# Altium PCB 智能马桶综合检测台V1.0.PcbDoc (part 7 of 10) (continued)
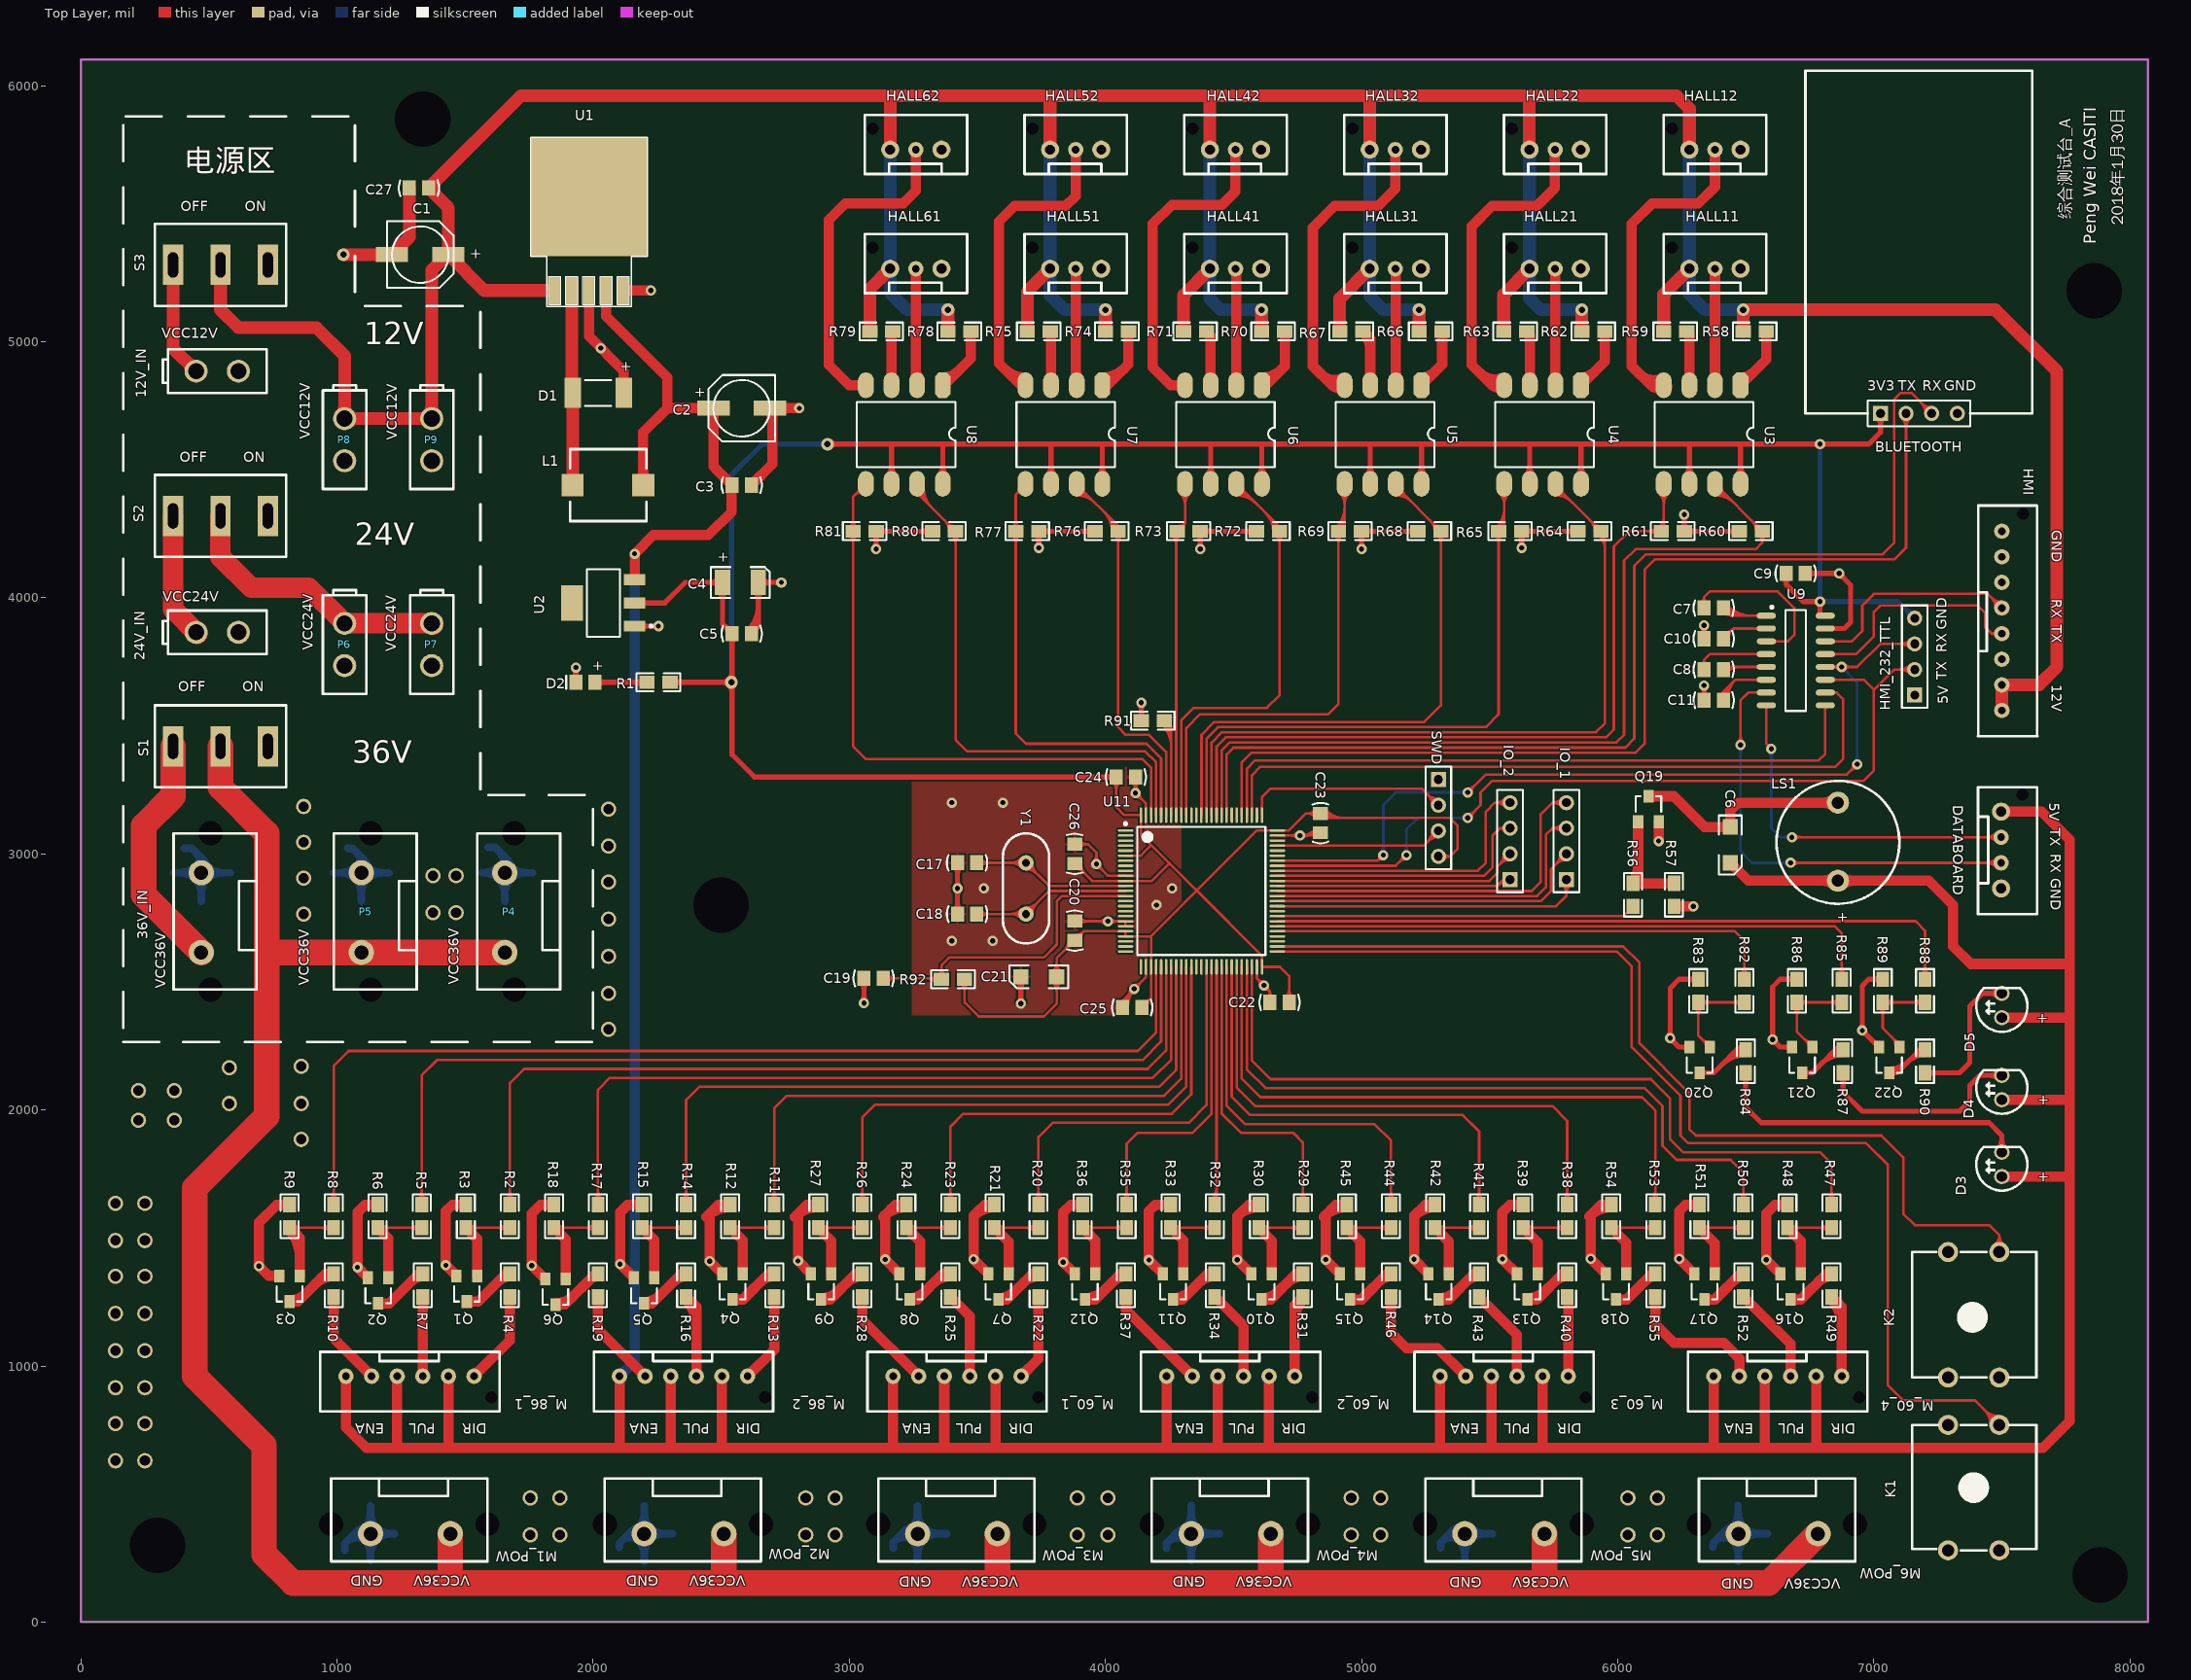
[diagram p0: Top Layer view]
## Nets (pads, with @x,y where several pads share a name; then routed paths per layer and width w, separated by ;. In a path a pad name is that pad's centre, name@x,y a point inside that pad or via, vN(x,y) a via of type N, cw(c..) or ccw(c..) an arc to the next point about the centre after c; other vN are vias at no path point) (continued)
  Top Layer w40: R24.2@3223,1540 3276.18,1486.82 Q8.1@3276.18,1360
NetQ8_3: Q8.3 R25.1 | length 1170.3
  Top Layer w40: Q8.3@3236.18,1260 3265,1260 3365,1360 R25.1@3395,1360 ; Q8.3@3236.18,1265 ccw(c3236.18,1346.66) 3293.92,1288.92 ; Q8.3@3236.18,1265 ccw(c3236.18,1346.66) 3293.92,1288.92 ; Q8.3@3236.18,1265 ccw(c3236.18,1346.66) 3293.92,1288.92 ; Q8.3@3236.18,1265 ccw(c3236.18,1346.66) 3293.92,1288.92 ; Q8.3@3236.18,1265 ccw(c3236.18,1346.66) 3293.92,1288.92 ; Q8.3@3236.18,1265 ccw(c3236.18,1346.66) 3293.92,1288.92 ; 3326.72,1321.72 cw(c3395,1253.43) R25.1@3395,1350 ; 3326.72,1321.72 cw(c3395,1253.43) R25.1@3395,1350 ; 3326.72,1321.72 cw(c3395,1253.43) R25.1@3395,1350 ; 3326.72,1321.72 cw(c3395,1253.43) R25.1@3395,1350 ; 3350,1345 cw(c3380.01,1314.99) R25.1@3393.42,1355.26 ; 3350,1345 cw(c3380.01,1314.99) R25.1@3393.42,1355.26 ; 3350,1345 cw(c3380.01,1314.99) R25.1@3393.42,1355.26 ; 3350,1345 cw(c3380.01,1314.99) R25.1@3393.42,1355.26 ; 3350,1345 cw(c3380.01,1314.99) R25.1@3393.42,1355.26 ; 3350,1345 cw(c3380.01,1314.99) R25.1@3393.42,1355.26
NetQ9_1: Q9.1 R26.2 R27.1 | length 1283.4
  Top Layer w10: R27.1@2879,1540 R26.2@3051,1540 ; R27.1@2893.14,1525.86 cw(c2927.28,1491.72) 2927.28,1540 ; R27.1@2893.14,1525.86 cw(c2927.28,1491.72) 2927.28,1540 ; R27.1@2893.14,1525.86 cw(c2927.28,1491.72) 2927.28,1540 ; R27.1@2893.14,1525.86 cw(c2927.28,1491.72) 2927.28,1540 ; R27.1@2893.14,1525.86 cw(c2927.28,1491.72) 2927.28,1540 ; R27.1@2893.14,1525.86 cw(c2927.28,1491.72) 2927.28,1540 ; R27.1@2893.14,1554.14 ccw(c2927.28,1588.28) 2927.28,1540 ; R27.1@2893.14,1554.14 ccw(c2927.28,1588.28) 2927.28,1540 ; R27.1@2893.14,1554.14 ccw(c2927.28,1588.28) 2927.28,1540 ; R27.1@2893.14,1554.14 ccw(c2927.28,1588.28) 2927.28,1540 ; R27.1@2893.14,1554.14 ccw(c2927.28,1588.28) 2927.28,1540 ; R27.1@2893.14,1554.14 ccw(c2927.28,1588.28) 2927.28,1540 ; 3002.72,1540 cw(c3002.72,1491.72) R26.2@3036.86,1525.86 ; 3002.72,1540 ccw(c3002.72,1588.28) R26.2@3036.86,1554.14 ; 3002.72,1540 cw(c3002.72,1491.72) R26.2@3036.86,1525.86 ; 3002.72,1540 ccw(c3002.72,1588.28) R26.2@3036.86,1554.14 ; 3002.72,1540 cw(c3002.72,1491.72) R26.2@3036.86,1525.86 ; 3002.72,1540 ccw(c3002.72,1588.28) R26.2@3036.86,1554.14 ; 3002.72,1540 cw(c3002.72,1491.72) R26.2@3036.86,1525.86 ; 3002.72,1540 ccw(c3002.72,1588.28) R26.2@3036.86,1554.14 ; 3002.72,1540 cw(c3002.72,1491.72) R26.2@3036.86,1525.86 ; 3002.72,1540 ccw(c3002.72,1588.28) R26.2@3036.86,1554.14 ; 3002.72,1540 ccw(c3002.72,1588.28) R26.2@3036.86,1554.14 ; 3002.72,1540 cw(c3002.72,1491.72) R26.2@3036.86,1525.86
  Top Layer w40: R27.1@2879,1540 2930.29,1488.71 Q9.1@2930.29,1360
NetQ9_3: Q9.3 R28.1 | length 1018.3
  Top Layer w40: Q9.3@2890.29,1260 2925,1260 3025,1360 R28.1@3051,1360 ; Q9.3@2890.29,1265 ccw(c2890.29,1360.86) 2958.08,1293.08 ; Q9.3@2890.29,1265 ccw(c2890.29,1360.86) 2958.08,1293.08 ; Q9.3@2890.29,1265 ccw(c2890.29,1360.86) 2958.08,1293.08 ; Q9.3@2890.29,1265 ccw(c2890.29,1360.86) 2958.08,1293.08 ; 2989.54,1324.54 cw(c3051,1263.09) R28.1@3051,1350 ; 2989.54,1324.54 cw(c3051,1263.09) R28.1@3051,1350 ; 2989.54,1324.54 cw(c3051,1263.09) R28.1@3051,1350 ; 2989.54,1324.54 cw(c3051,1263.09) R28.1@3051,1350 ; 3012,1347 cw(c3037.17,1321.83) R28.1@3049.3,1355.3 ; 3012,1347 cw(c3037.17,1321.83) R28.1@3049.3,1355.3 ; 3012,1347 cw(c3037.17,1321.83) R28.1@3049.3,1355.3 ; 3012,1347 cw(c3037.17,1321.83) R28.1@3049.3,1355.3 ; 3012,1347 cw(c3037.17,1321.83) R28.1@3049.3,1355.3 ; 3012,1347 cw(c3037.17,1321.83) R28.1@3049.3,1355.3
NetQ10_1: Q10.1 R29.2 R30.2 | length 1283.3
  Top Layer w10: R30.2@4599,1540 R29.2@4771,1540 ; R30.2@4613.14,1525.86 cw(c4647.28,1491.72) 4647.28,1540 ; R30.2@4613.14,1525.86 cw(c4647.28,1491.72) 4647.28,1540 ; R30.2@4613.14,1525.86 cw(c4647.28,1491.72) 4647.28,1540 ; R30.2@4613.14,1525.86 cw(c4647.28,1491.72) 4647.28,1540 ; R30.2@4613.14,1525.86 cw(c4647.28,1491.72) 4647.28,1540 ; R30.2@4613.14,1525.86 cw(c4647.28,1491.72) 4647.28,1540 ; R30.2@4613.14,1554.14 ccw(c4647.28,1588.28) 4647.28,1540 ; R30.2@4613.14,1554.14 ccw(c4647.28,1588.28) 4647.28,1540 ; R30.2@4613.14,1554.14 ccw(c4647.28,1588.28) 4647.28,1540 ; R30.2@4613.14,1554.14 ccw(c4647.28,1588.28) 4647.28,1540 ; R30.2@4613.14,1554.14 ccw(c4647.28,1588.28) 4647.28,1540 ; R30.2@4613.14,1554.14 ccw(c4647.28,1588.28) 4647.28,1540 ; 4722.72,1540 cw(c4722.72,1491.72) R29.2@4756.86,1525.86 ; 4722.72,1540 ccw(c4722.72,1588.28) R29.2@4756.86,1554.14 ; 4722.72,1540 cw(c4722.72,1491.72) R29.2@4756.86,1525.86 ; 4722.72,1540 ccw(c4722.72,1588.28) R29.2@4756.86,1554.14 ; 4722.72,1540 cw(c4722.72,1491.72) R29.2@4756.86,1525.86 ; 4722.72,1540 ccw(c4722.72,1588.28) R29.2@4756.86,1554.14 ; 4722.72,1540 cw(c4722.72,1491.72) R29.2@4756.86,1525.86 ; 4722.72,1540 ccw(c4722.72,1588.28) R29.2@4756.86,1554.14 ; 4722.72,1540 cw(c4722.72,1491.72) R29.2@4756.86,1525.86 ; 4722.72,1540 ccw(c4722.72,1588.28) R29.2@4756.86,1554.14 ; 4722.72,1540 ccw(c4722.72,1588.28) R29.2@4756.86,1554.14 ; 4722.72,1540 cw(c4722.72,1491.72) R29.2@4756.86,1525.86
  Top Layer w40: R30.2@4599,1540 4650,1489 Q10.1@4650,1360
NetQ10_3: Q10.3 R31.1 | length 1020.8
  Top Layer w40: Q10.3@4610,1260 4645,1260 4745,1360 R31.1@4771,1360 ; Q10.3@4610,1265 ccw(c4610,1361.57) 4678.28,1293.28 ; Q10.3@4610,1265 ccw(c4610,1361.57) 4678.28,1293.28 ; Q10.3@4610,1265 ccw(c4610,1361.57) 4678.28,1293.28 ; Q10.3@4610,1265 ccw(c4610,1361.57) 4678.28,1293.28 ; 4709.54,1324.54 cw(c4771,1263.09) R31.1@4771,1350 ; 4709.54,1324.54 cw(c4771,1263.09) R31.1@4771,1350 ; 4709.54,1324.54 cw(c4771,1263.09) R31.1@4771,1350 ; 4709.54,1324.54 cw(c4771,1263.09) R31.1@4771,1350 ; 4732,1347 cw(c4757.17,1321.83) R31.1@4769.3,1355.3 ; 4732,1347 cw(c4757.17,1321.83) R31.1@4769.3,1355.3 ; 4732,1347 cw(c4757.17,1321.83) R31.1@4769.3,1355.3 ; 4732,1347 cw(c4757.17,1321.83) R31.1@4769.3,1355.3 ; 4732,1347 cw(c4757.17,1321.83) R31.1@4769.3,1355.3 ; 4732,1347 cw(c4757.17,1321.83) R31.1@4769.3,1355.3
NetQ11_1: Q11.1 R32.2 R33.1 | length 1282.4
  Top Layer w10: R33.1@4255,1540 R32.2@4427,1540 ; R33.1@4269.14,1525.86 cw(c4303.28,1491.72) 4303.28,1540 ; R33.1@4269.14,1525.86 cw(c4303.28,1491.72) 4303.28,1540 ; R33.1@4269.14,1525.86 cw(c4303.28,1491.72) 4303.28,1540 ; R33.1@4269.14,1525.86 cw(c4303.28,1491.72) 4303.28,1540 ; R33.1@4269.14,1525.86 cw(c4303.28,1491.72) 4303.28,1540 ; R33.1@4269.14,1525.86 cw(c4303.28,1491.72) 4303.28,1540 ; R33.1@4269.14,1554.14 ccw(c4303.28,1588.28) 4303.28,1540 ; R33.1@4269.14,1554.14 ccw(c4303.28,1588.28) 4303.28,1540 ; R33.1@4269.14,1554.14 ccw(c4303.28,1588.28) 4303.28,1540 ; R33.1@4269.14,1554.14 ccw(c4303.28,1588.28) 4303.28,1540 ; R33.1@4269.14,1554.14 ccw(c4303.28,1588.28) 4303.28,1540 ; R33.1@4269.14,1554.14 ccw(c4303.28,1588.28) 4303.28,1540 ; 4378.72,1540 cw(c4378.72,1491.72) R32.2@4412.86,1525.86 ; 4378.72,1540 ccw(c4378.72,1588.28) R32.2@4412.86,1554.14 ; 4378.72,1540 cw(c4378.72,1491.72) R32.2@4412.86,1525.86 ; 4378.72,1540 ccw(c4378.72,1588.28) R32.2@4412.86,1554.14 ; 4378.72,1540 cw(c4378.72,1491.72) R32.2@4412.86,1525.86 ; 4378.72,1540 ccw(c4378.72,1588.28) R32.2@4412.86,1554.14 ; 4378.72,1540 cw(c4378.72,1491.72) R32.2@4412.86,1525.86 ; 4378.72,1540 ccw(c4378.72,1588.28) R32.2@4412.86,1554.14 ; 4378.72,1540 cw(c4378.72,1491.72) R32.2@4412.86,1525.86 ; 4378.72,1540 ccw(c4378.72,1588.28) R32.2@4412.86,1554.14 ; 4378.72,1540 ccw(c4378.72,1588.28) R32.2@4412.86,1554.14 ; 4378.72,1540 cw(c4378.72,1491.72) R32.2@4412.86,1525.86
  Top Layer w40: R33.1@4255,1540 4303.82,1491.18 Q11.1@4303.82,1360
NetQ11_3: Q11.3 R34.1 | length 1049.5
  Top Layer w40: Q11.3@4263.82,1260 4300,1260 4400,1360 R34.1@4427,1360 ; Q11.3@4263.82,1265 ccw(c4263.82,1364.41) 4334.12,1294.12 ; Q11.3@4263.82,1265 ccw(c4263.82,1364.41) 4334.12,1294.12 ; Q11.3@4263.82,1265 ccw(c4263.82,1364.41) 4334.12,1294.12 ; Q11.3@4263.82,1265 ccw(c4263.82,1364.41) 4334.12,1294.12 ; 4363.84,1323.84 cw(c4427,1260.67) R34.1@4427,1350 ; 4363.84,1323.84 cw(c4427,1260.67) R34.1@4427,1350 ; 4363.84,1323.84 cw(c4427,1260.67) R34.1@4427,1350 ; 4363.84,1323.84 cw(c4427,1260.67) R34.1@4427,1350 ; 4386.5,1346.5 cw(c4412.88,1320.12) R34.1@4425.33,1355.29 ; 4386.5,1346.5 cw(c4412.88,1320.12) R34.1@4425.33,1355.29 ; 4386.5,1346.5 cw(c4412.88,1320.12) R34.1@4425.33,1355.29 ; 4386.5,1346.5 cw(c4412.88,1320.12) R34.1@4425.33,1355.29 ; 4386.5,1346.5 cw(c4412.88,1320.12) R34.1@4425.33,1355.29 ; 4386.5,1346.5 cw(c4412.88,1320.12) R34.1@4425.33,1355.29
NetQ12_1: Q12.1 R35.2 R36.2 | length 1282.4
  Top Layer w10: R36.2@3911,1540 R35.2@4083,1540 ; R36.2@3925.14,1525.86 cw(c3959.28,1491.72) 3959.28,1540 ; R36.2@3925.14,1525.86 cw(c3959.28,1491.72) 3959.28,1540 ; R36.2@3925.14,1525.86 cw(c3959.28,1491.72) 3959.28,1540 ; R36.2@3925.14,1525.86 cw(c3959.28,1491.72) 3959.28,1540 ; R36.2@3925.14,1525.86 cw(c3959.28,1491.72) 3959.28,1540 ; R36.2@3925.14,1525.86 cw(c3959.28,1491.72) 3959.28,1540 ; R36.2@3925.14,1554.14 ccw(c3959.28,1588.28) 3959.28,1540 ; R36.2@3925.14,1554.14 ccw(c3959.28,1588.28) 3959.28,1540 ; R36.2@3925.14,1554.14 ccw(c3959.28,1588.28) 3959.28,1540 ; R36.2@3925.14,1554.14 ccw(c3959.28,1588.28) 3959.28,1540 ; R36.2@3925.14,1554.14 ccw(c3959.28,1588.28) 3959.28,1540 ; R36.2@3925.14,1554.14 ccw(c3959.28,1588.28) 3959.28,1540 ; 4034.72,1540 cw(c4034.72,1491.72) R35.2@4068.86,1525.86 ; 4034.72,1540 ccw(c4034.72,1588.28) R35.2@4068.86,1554.14 ; 4034.72,1540 cw(c4034.72,1491.72) R35.2@4068.86,1525.86 ; 4034.72,1540 ccw(c4034.72,1588.28) R35.2@4068.86,1554.14 ; 4034.72,1540 cw(c4034.72,1491.72) R35.2@4068.86,1525.86 ; 4034.72,1540 ccw(c4034.72,1588.28) R35.2@4068.86,1554.14 ; 4034.72,1540 cw(c4034.72,1491.72) R35.2@4068.86,1525.86 ; 4034.72,1540 ccw(c4034.72,1588.28) R35.2@4068.86,1554.14 ; 4034.72,1540 cw(c4034.72,1491.72) R35.2@4068.86,1525.86 ; 4034.72,1540 ccw(c4034.72,1588.28) R35.2@4068.86,1554.14 ; 4034.72,1540 ccw(c4034.72,1588.28) R35.2@4068.86,1554.14 ; 4034.72,1540 cw(c4034.72,1491.72) R35.2@4068.86,1525.86
  Top Layer w40: R36.2@3911,1540 3960,1491 Q12.1@3960,1360
NetQ12_3: Q12.3 R37.1 | length 770.3
  Top Layer w40: Q12.3@3920,1260 3960,1260 4060,1360 R37.1@4080,1360 ; Q12.3@3920,1265 ccw(c3920,1373.64) 3996.82,1296.82 ; Q12.3@3920,1265 ccw(c3920,1373.64) 3996.82,1296.82 ; Q12.3@3920,1265 ccw(c3920,1373.64) 3996.82,1296.82 ; Q12.3@3920,1265 ccw(c3920,1373.64) 3996.82,1296.82 ; 4028.79,1328.79 cw(c4080,1277.57) R37.1@4080,1350 ; 4028.79,1328.79 cw(c4080,1277.57) R37.1@4080,1350 ; 4028.79,1328.79 cw(c4080,1277.57) R37.1@4080,1350 ; 4028.79,1328.79 cw(c4080,1277.57) R37.1@4080,1350
NetQ13_1: Q13.1 R38.1 R39.2 | length 1285.5
  Top Layer w10: R39.2@5631,1540 R38.1@5803,1540 ; R39.2@5645.14,1525.86 cw(c5679.28,1491.72) 5679.28,1540 ; R39.2@5645.14,1525.86 cw(c5679.28,1491.72) 5679.28,1540 ; R39.2@5645.14,1525.86 cw(c5679.28,1491.72) 5679.28,1540 ; R39.2@5645.14,1525.86 cw(c5679.28,1491.72) 5679.28,1540 ; R39.2@5645.14,1525.86 cw(c5679.28,1491.72) 5679.28,1540 ; R39.2@5645.14,1525.86 cw(c5679.28,1491.72) 5679.28,1540 ; R39.2@5645.14,1554.14 ccw(c5679.28,1588.28) 5679.28,1540 ; R39.2@5645.14,1554.14 ccw(c5679.28,1588.28) 5679.28,1540 ; R39.2@5645.14,1554.14 ccw(c5679.28,1588.28) 5679.28,1540 ; R39.2@5645.14,1554.14 ccw(c5679.28,1588.28) 5679.28,1540 ; R39.2@5645.14,1554.14 ccw(c5679.28,1588.28) 5679.28,1540 ; R39.2@5645.14,1554.14 ccw(c5679.28,1588.28) 5679.28,1540 ; 5754.72,1540 cw(c5754.72,1491.72) R38.1@5788.86,1525.86 ; 5754.72,1540 ccw(c5754.72,1588.28) R38.1@5788.86,1554.14 ; 5754.72,1540 cw(c5754.72,1491.72) R38.1@5788.86,1525.86 ; 5754.72,1540 ccw(c5754.72,1588.28) R38.1@5788.86,1554.14 ; 5754.72,1540 cw(c5754.72,1491.72) R38.1@5788.86,1525.86 ; 5754.72,1540 ccw(c5754.72,1588.28) R38.1@5788.86,1554.14 ; 5754.72,1540 cw(c5754.72,1491.72) R38.1@5788.86,1525.86 ; 5754.72,1540 ccw(c5754.72,1588.28) R38.1@5788.86,1554.14 ; 5754.72,1540 cw(c5754.72,1491.72) R38.1@5788.86,1525.86 ; 5754.72,1540 ccw(c5754.72,1588.28) R38.1@5788.86,1554.14 ; 5754.72,1540 ccw(c5754.72,1588.28) R38.1@5788.86,1554.14 ; 5754.72,1540 cw(c5754.72,1491.72) R38.1@5788.86,1525.86
  Top Layer w40: R39.2@5631,1540 5687.35,1483.65 Q13.1@5687.35,1360
NetQ13_3: Q13.3 R40.1 | length 732.9
  Top Layer w40: Q13.3@5647.35,1260 5685,1260 5785,1360 R40.1@5803,1360 ; Q13.3@5647.35,1265 ccw(c5647.35,1367.96) 5720.16,1295.16 ; Q13.3@5647.35,1265 ccw(c5647.35,1367.96) 5720.16,1295.16 ; Q13.3@5647.35,1265 ccw(c5647.35,1367.96) 5720.16,1295.16 ; Q13.3@5647.35,1265 ccw(c5647.35,1367.96) 5720.16,1295.16 ; 5755.2,1330.2 cw(c5803,1282.4) R40.1@5803,1350 ; 5755.2,1330.2 cw(c5803,1282.4) R40.1@5803,1350 ; 5755.2,1330.2 cw(c5803,1282.4) R40.1@5803,1350 ; 5755.2,1330.2 cw(c5803,1282.4) R40.1@5803,1350
NetQ14_1: Q14.1 R41.1 R42.1 | length 1284.7
  Top Layer w10: R42.1@5287,1540 R41.1@5459,1540 ; R42.1@5301.14,1525.86 cw(c5335.28,1491.72) 5335.28,1540 ; R42.1@5301.14,1525.86 cw(c5335.28,1491.72) 5335.28,1540 ; R42.1@5301.14,1525.86 cw(c5335.28,1491.72) 5335.28,1540 ; R42.1@5301.14,1525.86 cw(c5335.28,1491.72) 5335.28,1540 ; R42.1@5301.14,1525.86 cw(c5335.28,1491.72) 5335.28,1540 ; R42.1@5301.14,1525.86 cw(c5335.28,1491.72) 5335.28,1540 ; R42.1@5301.14,1554.14 ccw(c5335.28,1588.28) 5335.28,1540 ; R42.1@5301.14,1554.14 ccw(c5335.28,1588.28) 5335.28,1540 ; R42.1@5301.14,1554.14 ccw(c5335.28,1588.28) 5335.28,1540 ; R42.1@5301.14,1554.14 ccw(c5335.28,1588.28) 5335.28,1540 ; R42.1@5301.14,1554.14 ccw(c5335.28,1588.28) 5335.28,1540 ; R42.1@5301.14,1554.14 ccw(c5335.28,1588.28) 5335.28,1540 ; 5410.72,1540 cw(c5410.72,1491.72) R41.1@5444.86,1525.86 ; 5410.72,1540 ccw(c5410.72,1588.28) R41.1@5444.86,1554.14 ; 5410.72,1540 cw(c5410.72,1491.72) R41.1@5444.86,1525.86 ; 5410.72,1540 ccw(c5410.72,1588.28) R41.1@5444.86,1554.14 ; 5410.72,1540 cw(c5410.72,1491.72) R41.1@5444.86,1525.86 ; 5410.72,1540 ccw(c5410.72,1588.28) R41.1@5444.86,1554.14 ; 5410.72,1540 cw(c5410.72,1491.72) R41.1@5444.86,1525.86 ; 5410.72,1540 ccw(c5410.72,1588.28) R41.1@5444.86,1554.14 ; 5410.72,1540 cw(c5410.72,1491.72) R41.1@5444.86,1525.86 ; 5410.72,1540 ccw(c5410.72,1588.28) R41.1@5444.86,1554.14 ; 5410.72,1540 ccw(c5410.72,1588.28) R41.1@5444.86,1554.14 ; 5410.72,1540 cw(c5410.72,1491.72) R41.1@5444.86,1525.86
  Top Layer w40: R42.1@5287,1540 5341.47,1485.53 Q14.1@5341.47,1360
NetQ14_3: Q14.3 R43.1 | length 749.1
  Top Layer w40: Q14.3@5301.47,1260 5340,1260 5440,1360 R43.1@5459,1360 ; Q14.3@5301.47,1265 ccw(c5301.47,1370.09) 5375.78,1295.78 ; Q14.3@5301.47,1265 ccw(c5301.47,1370.09) 5375.78,1295.78 ; Q14.3@5301.47,1265 ccw(c5301.47,1370.09) 5375.78,1295.78 ; Q14.3@5301.47,1265 ccw(c5301.47,1370.09) 5375.78,1295.78 ; 5409.49,1329.49 cw(c5459,1279.99) R43.1@5459,1350 ; 5409.49,1329.49 cw(c5459,1279.99) R43.1@5459,1350 ; 5409.49,1329.49 cw(c5459,1279.99) R43.1@5459,1350 ; 5409.49,1329.49 cw(c5459,1279.99) R43.1@5459,1350
NetQ15_1: Q15.1 R44.1 R45.1 | length 1283.9
  Top Layer w10: R45.1@4943,1540 R44.1@5115,1540 ; R45.1@4957.14,1525.86 cw(c4991.28,1491.72) 4991.28,1540 ; R45.1@4957.14,1525.86 cw(c4991.28,1491.72) 4991.28,1540 ; R45.1@4957.14,1525.86 cw(c4991.28,1491.72) 4991.28,1540 ; R45.1@4957.14,1525.86 cw(c4991.28,1491.72) 4991.28,1540 ; R45.1@4957.14,1525.86 cw(c4991.28,1491.72) 4991.28,1540 ; R45.1@4957.14,1525.86 cw(c4991.28,1491.72) 4991.28,1540 ; R45.1@4957.14,1554.14 ccw(c4991.28,1588.28) 4991.28,1540 ; R45.1@4957.14,1554.14 ccw(c4991.28,1588.28) 4991.28,1540 ; R45.1@4957.14,1554.14 ccw(c4991.28,1588.28) 4991.28,1540 ; R45.1@4957.14,1554.14 ccw(c4991.28,1588.28) 4991.28,1540 ; R45.1@4957.14,1554.14 ccw(c4991.28,1588.28) 4991.28,1540 ; R45.1@4957.14,1554.14 ccw(c4991.28,1588.28) 4991.28,1540 ; 5066.72,1540 cw(c5066.72,1491.72) R44.1@5100.86,1525.86 ; 5066.72,1540 ccw(c5066.72,1588.28) R44.1@5100.86,1554.14 ; 5066.72,1540 cw(c5066.72,1491.72) R44.1@5100.86,1525.86 ; 5066.72,1540 ccw(c5066.72,1588.28) R44.1@5100.86,1554.14 ; 5066.72,1540 cw(c5066.72,1491.72) R44.1@5100.86,1525.86 ; 5066.72,1540 ccw(c5066.72,1588.28) R44.1@5100.86,1554.14 ; 5066.72,1540 cw(c5066.72,1491.72) R44.1@5100.86,1525.86 ; 5066.72,1540 ccw(c5066.72,1588.28) R44.1@5100.86,1554.14 ; 5066.72,1540 cw(c5066.72,1491.72) R44.1@5100.86,1525.86 ; 5066.72,1540 ccw(c5066.72,1588.28) R44.1@5100.86,1554.14 ; 5066.72,1540 ccw(c5066.72,1588.28) R44.1@5100.86,1554.14 ; 5066.72,1540 cw(c5066.72,1491.72) R44.1@5100.86,1525.86
  Top Layer w40: R45.1@4943,1540 4995.59,1487.41 Q15.1@4995.59,1360
NetQ15_3: Q15.3 R46.1 | length 390.4
  Top Layer w40: Q15.3@4955.59,1260 5000,1260 5100,1360 R46.1@5115,1360 ; 5072.32,1332.32 cw(c5115,1289.64) R46.1@5115,1350 ; 5072.32,1332.32 cw(c5115,1289.64) R46.1@5115,1350 ; 5072.32,1332.32 cw(c5115,1289.64) R46.1@5115,1350 ; 5072.32,1332.32 cw(c5115,1289.64) R46.1@5115,1350
NetQ16_1: Q16.1 R47.1 R48.2 | length 1283.7
  Top Layer w10: R48.2@6663,1540 R47.1@6835,1540 ; R48.2@6677.14,1525.86 cw(c6711.28,1491.72) 6711.28,1540 ; R48.2@6677.14,1525.86 cw(c6711.28,1491.72) 6711.28,1540 ; R48.2@6677.14,1525.86 cw(c6711.28,1491.72) 6711.28,1540 ; R48.2@6677.14,1525.86 cw(c6711.28,1491.72) 6711.28,1540 ; R48.2@6677.14,1525.86 cw(c6711.28,1491.72) 6711.28,1540 ; R48.2@6677.14,1525.86 cw(c6711.28,1491.72) 6711.28,1540 ; R48.2@6677.14,1554.14 ccw(c6711.28,1588.28) 6711.28,1540 ; R48.2@6677.14,1554.14 ccw(c6711.28,1588.28) 6711.28,1540 ; R48.2@6677.14,1554.14 ccw(c6711.28,1588.28) 6711.28,1540 ; R48.2@6677.14,1554.14 ccw(c6711.28,1588.28) 6711.28,1540 ; R48.2@6677.14,1554.14 ccw(c6711.28,1588.28) 6711.28,1540 ; R48.2@6677.14,1554.14 ccw(c6711.28,1588.28) 6711.28,1540 ; 6786.72,1540 cw(c6786.72,1491.72) R47.1@6820.86,1525.86 ; 6786.72,1540 ccw(c6786.72,1588.28) R47.1@6820.86,1554.14 ; 6786.72,1540 cw(c6786.72,1491.72) R47.1@6820.86,1525.86 ; 6786.72,1540 ccw(c6786.72,1588.28) R47.1@6820.86,1554.14 ; 6786.72,1540 cw(c6786.72,1491.72) R47.1@6820.86,1525.86 ; 6786.72,1540 ccw(c6786.72,1588.28) R47.1@6820.86,1554.14 ; 6786.72,1540 cw(c6786.72,1491.72) R47.1@6820.86,1525.86 ; 6786.72,1540 ccw(c6786.72,1588.28) R47.1@6820.86,1554.14 ; 6786.72,1540 cw(c6786.72,1491.72) R47.1@6820.86,1525.86 ; 6786.72,1540 ccw(c6786.72,1588.28) R47.1@6820.86,1554.14 ; 6786.72,1540 ccw(c6786.72,1588.28) R47.1@6820.86,1554.14 ; 6786.72,1540 cw(c6786.72,1491.72) R47.1@6820.86,1525.86
  Top Layer w40: R48.2@6663,1540 6715,1488 Q16.1@6715,1360
NetQ16_3: Q16.3 R49.1 | length 429
  Top Layer w40: Q16.3@6675,1260 6715,1260 6815,1360 R49.1@6835,1360 ; 6783.79,1328.79 cw(c6835,1277.57) R49.1@6835,1350 ; 6783.79,1328.79 cw(c6835,1277.57) R49.1@6835,1350 ; 6783.79,1328.79 cw(c6835,1277.57) R49.1@6835,1350 ; 6783.79,1328.79 cw(c6835,1277.57) R49.1@6835,1350
NetQ17_1: Q17.1 R50.1 R51.1 | length 1287
  Top Layer w10: R51.1@6319,1540 R50.1@6491,1540 ; R51.1@6333.14,1525.86 cw(c6367.28,1491.72) 6367.28,1540 ; R51.1@6333.14,1525.86 cw(c6367.28,1491.72) 6367.28,1540 ; R51.1@6333.14,1525.86 cw(c6367.28,1491.72) 6367.28,1540 ; R51.1@6333.14,1525.86 cw(c6367.28,1491.72) 6367.28,1540 ; R51.1@6333.14,1525.86 cw(c6367.28,1491.72) 6367.28,1540 ; R51.1@6333.14,1525.86 cw(c6367.28,1491.72) 6367.28,1540 ; R51.1@6333.14,1554.14 ccw(c6367.28,1588.28) 6367.28,1540 ; R51.1@6333.14,1554.14 ccw(c6367.28,1588.28) 6367.28,1540 ; R51.1@6333.14,1554.14 ccw(c6367.28,1588.28) 6367.28,1540 ; R51.1@6333.14,1554.14 ccw(c6367.28,1588.28) 6367.28,1540 ; R51.1@6333.14,1554.14 ccw(c6367.28,1588.28) 6367.28,1540 ; R51.1@6333.14,1554.14 ccw(c6367.28,1588.28) 6367.28,1540 ; 6442.72,1540 cw(c6442.72,1491.72) R50.1@6476.86,1525.86 ; 6442.72,1540 ccw(c6442.72,1588.28) R50.1@6476.86,1554.14 ; 6442.72,1540 cw(c6442.72,1491.72) R50.1@6476.86,1525.86 ; 6442.72,1540 ccw(c6442.72,1588.28) R50.1@6476.86,1554.14 ; 6442.72,1540 cw(c6442.72,1491.72) R50.1@6476.86,1525.86 ; 6442.72,1540 ccw(c6442.72,1588.28) R50.1@6476.86,1554.14 ; 6442.72,1540 cw(c6442.72,1491.72) R50.1@6476.86,1525.86 ; 6442.72,1540 ccw(c6442.72,1588.28) R50.1@6476.86,1554.14 ; 6442.72,1540 cw(c6442.72,1491.72) R50.1@6476.86,1525.86 ; 6442.72,1540 ccw(c6442.72,1588.28) R50.1@6476.86,1554.14 ; 6442.72,1540 ccw(c6442.72,1588.28) R50.1@6476.86,1554.14 ; 6442.72,1540 cw(c6442.72,1491.72) R50.1@6476.86,1525.86
  Top Layer w40: R51.1@6319,1540 6379.12,1479.88 Q17.1@6379.12,1360
NetQ17_3: Q17.3 R52.1 | length 352.6
  Top Layer w40: Q17.3@6339.12,1260 6380,1260 6480,1360 R52.1@6491,1360 ; 6455.15,1335.15 cw(c6491,1299.3) R52.1@6491,1350 ; 6455.15,1335.15 cw(c6491,1299.3) R52.1@6491,1350 ; 6455.15,1335.15 cw(c6491,1299.3) R52.1@6491,1350 ; 6455.15,1335.15 cw(c6491,1299.3) R52.1@6491,1350
NetQ18_1: Q18.1 R53.1 R54.1 | length 1286.3
  Top Layer w10: R54.1@5975,1540 R53.1@6147,1540 ; R54.1@5989.14,1525.86 cw(c6023.28,1491.72) 6023.28,1540 ; R54.1@5989.14,1525.86 cw(c6023.28,1491.72) 6023.28,1540 ; R54.1@5989.14,1525.86 cw(c6023.28,1491.72) 6023.28,1540 ; R54.1@5989.14,1525.86 cw(c6023.28,1491.72) 6023.28,1540 ; R54.1@5989.14,1525.86 cw(c6023.28,1491.72) 6023.28,1540 ; R54.1@5989.14,1525.86 cw(c6023.28,1491.72) 6023.28,1540 ; R54.1@5989.14,1554.14 ccw(c6023.28,1588.28) 6023.28,1540 ; R54.1@5989.14,1554.14 ccw(c6023.28,1588.28) 6023.28,1540 ; R54.1@5989.14,1554.14 ccw(c6023.28,1588.28) 6023.28,1540 ; R54.1@5989.14,1554.14 ccw(c6023.28,1588.28) 6023.28,1540 ; R54.1@5989.14,1554.14 ccw(c6023.28,1588.28) 6023.28,1540 ; R54.1@5989.14,1554.14 ccw(c6023.28,1588.28) 6023.28,1540 ; 6098.72,1540 cw(c6098.72,1491.72) R53.1@6132.86,1525.86 ; 6098.72,1540 ccw(c6098.72,1588.28) R53.1@6132.86,1554.14 ; 6098.72,1540 cw(c6098.72,1491.72) R53.1@6132.86,1525.86 ; 6098.72,1540 ccw(c6098.72,1588.28) R53.1@6132.86,1554.14 ; 6098.72,1540 cw(c6098.72,1491.72) R53.1@6132.86,1525.86 ; 6098.72,1540 ccw(c6098.72,1588.28) R53.1@6132.86,1554.14 ; 6098.72,1540 cw(c6098.72,1491.72) R53.1@6132.86,1525.86 ; 6098.72,1540 ccw(c6098.72,1588.28) R53.1@6132.86,1554.14 ; 6098.72,1540 cw(c6098.72,1491.72) R53.1@6132.86,1525.86 ; 6098.72,1540 ccw(c6098.72,1588.28) R53.1@6132.86,1554.14 ; 6098.72,1540 ccw(c6098.72,1588.28) R53.1@6132.86,1554.14 ; 6098.72,1540 cw(c6098.72,1491.72) R53.1@6132.86,1525.86
  Top Layer w40: R54.1@5975,1540 6033.23,1481.77 Q18.1@6033.23,1360
NetQ18_3: Q18.3 R55.1 | length 362
  Top Layer w40: Q18.3@5993.23,1260 6035,1260 6135,1360 R55.1@6147,1360 ; 6109.44,1334.44 cw(c6147,1296.89) R55.1@6147,1350 ; 6109.44,1334.44 cw(c6147,1296.89) R55.1@6147,1350 ; 6109.44,1334.44 cw(c6147,1296.89) R55.1@6147,1350 ; 6109.44,1334.44 cw(c6147,1296.89) R55.1@6147,1350
NetQ19_1: Q19.1 R56.2 R57.1 | length 780.7
  Top Layer w40: R56.2@6060,2885 R57.1@6220,2885 ; R56.2@6075,2885 6080,2890 Q19.1@6080,3125 ; R56.2@6056.46,2893.54 ccw(c5999.64,2950.36) 6080,2950.36 ; R56.2@6056.46,2893.54 ccw(c5999.64,2950.36) 6080,2950.36 ; R56.2@6056.46,2893.54 ccw(c5999.64,2950.36) 6080,2950.36 ; R56.2@6056.46,2893.54 ccw(c5999.64,2950.36) 6080,2950.36 ; R56.2@6056.46,2893.54 ccw(c5999.64,2950.36) 6080,2950.36 ; R56.2@6056.46,2893.54 ccw(c5999.64,2950.36) 6080,2950.36
NetQ20_1: Q20.1 R82.2 R83.1 | length 2042.2
  Top Layer w10: Q20.1@6360,2245 6315,2290 R83.1@6315,2420 R82.2@6495,2420 ; R83.1@6300.86,2400.86 cw(c6266.72,2366.72) 6315,2366.72 ; R83.1@6300.86,2400.86 cw(c6266.72,2366.72) 6315,2366.72 ; R83.1@6300.86,2400.86 cw(c6266.72,2366.72) 6315,2366.72 ; R83.1@6300.86,2400.86 cw(c6266.72,2366.72) 6315,2366.72 ; R83.1@6300.86,2400.86 cw(c6266.72,2366.72) 6315,2366.72 ; R83.1@6300.86,2400.86 cw(c6266.72,2366.72) 6315,2366.72 ; 6315,2366.72 cw(c6363.28,2366.72) R83.1@6329.14,2400.86 ; 6315,2366.72 cw(c6363.28,2366.72) R83.1@6329.14,2400.86 ; 6315,2366.72 cw(c6363.28,2366.72) R83.1@6329.14,2400.86 ; 6315,2366.72 cw(c6363.28,2366.72) R83.1@6329.14,2400.86 ; 6315,2366.72 cw(c6363.28,2366.72) R83.1@6329.14,2400.86 ; 6315,2366.72 cw(c6363.28,2366.72) R83.1@6329.14,2400.86 ; 6325.86,2279.14 ccw(c6360,2313.28) Q20.1@6360,2265 ; 6325.86,2279.14 ccw(c6360,2313.28) Q20.1@6360,2265 ; 6325.86,2279.14 ccw(c6360,2313.28) Q20.1@6360,2265 ; 6325.86,2279.14 ccw(c6360,2313.28) Q20.1@6360,2265 ; R83.1@6329.14,2405.86 cw(c6363.28,2371.72) 6363.28,2420 ; R83.1@6329.14,2405.86 cw(c6363.28,2371.72) 6363.28,2420 ; R83.1@6329.14,2405.86 cw(c6363.28,2371.72) 6363.28,2420 ; R83.1@6329.14,2405.86 cw(c6363.28,2371.72) 6363.28,2420 ; R83.1@6329.14,2405.86 cw(c6363.28,2371.72) 6363.28,2420 ; R83.1@6329.14,2405.86 cw(c6363.28,2371.72) 6363.28,2420 ; R83.1@6329.14,2434.14 ccw(c6363.28,2468.28) 6363.28,2420 ; R83.1@6329.14,2434.14 ccw(c6363.28,2468.28) 6363.28,2420 ; R83.1@6329.14,2434.14 ccw(c6363.28,2468.28) 6363.28,2420 ; R83.1@6329.14,2434.14 ccw(c6363.28,2468.28) 6363.28,2420 ; R83.1@6329.14,2434.14 ccw(c6363.28,2468.28) 6363.28,2420 ; R83.1@6329.14,2434.14 ccw(c6363.28,2468.28) 6363.28,2420 ; 6337.93,2267.07 cw(c6320.86,2250) Q20.1@6345,2250 ; 6337.93,2267.07 cw(c6320.86,2250) Q20.1@6345,2250 ; 6337.93,2267.07 cw(c6320.86,2250) Q20.1@6345,2250 ; 6337.93,2267.07 cw(c6320.86,2250) Q20.1@6345,2250 ; Q20.1@6342.93,2262.07 ccw(c6360,2279.14) Q20.1@6360,2255 ; Q20.1@6342.93,2262.07 ccw(c6360,2279.14) Q20.1@6360,2255 ; Q20.1@6342.93,2262.07 ccw(c6360,2279.14) Q20.1@6360,2255 ; Q20.1@6342.93,2262.07 ccw(c6360,2279.14) Q20.1@6360,2255 ; 6446.72,2420 cw(c6446.72,2371.72) R82.2@6480.86,2405.86 ; 6446.72,2420 ccw(c6446.72,2468.28) R82.2@6480.86,2434.14 ; 6446.72,2420 cw(c6446.72,2371.72) R82.2@6480.86,2405.86 ; 6446.72,2420 ccw(c6446.72,2468.28) R82.2@6480.86,2434.14 ; 6446.72,2420 cw(c6446.72,2371.72) R82.2@6480.86,2405.86 ; 6446.72,2420 ccw(c6446.72,2468.28) R82.2@6480.86,2434.14 ; 6446.72,2420 cw(c6446.72,2371.72) R82.2@6480.86,2405.86 ; 6446.72,2420 ccw(c6446.72,2468.28) R82.2@6480.86,2434.14 ; 6446.72,2420 cw(c6446.72,2371.72) R82.2@6480.86,2405.86 ; 6446.72,2420 ccw(c6446.72,2468.28) R82.2@6480.86,2434.14 ; 6446.72,2420 ccw(c6446.72,2468.28) R82.2@6480.86,2434.14 ; 6446.72,2420 cw(c6446.72,2371.72) R82.2@6480.86,2405.86